# Altium PCB Napelemes_inverter.PcbDoc (part 3 of 3)
Units mil, origin at the board's own origin, x right, y up, seen from the top; angles counter-clockwise.
Board outline 11440 x 4760 mil, 2 copper layers (Top Layer, Bottom Layer); 247 components, 166 nets, 771 pads, 552 vias.
Unrouted connection lines stored in the file: 2.
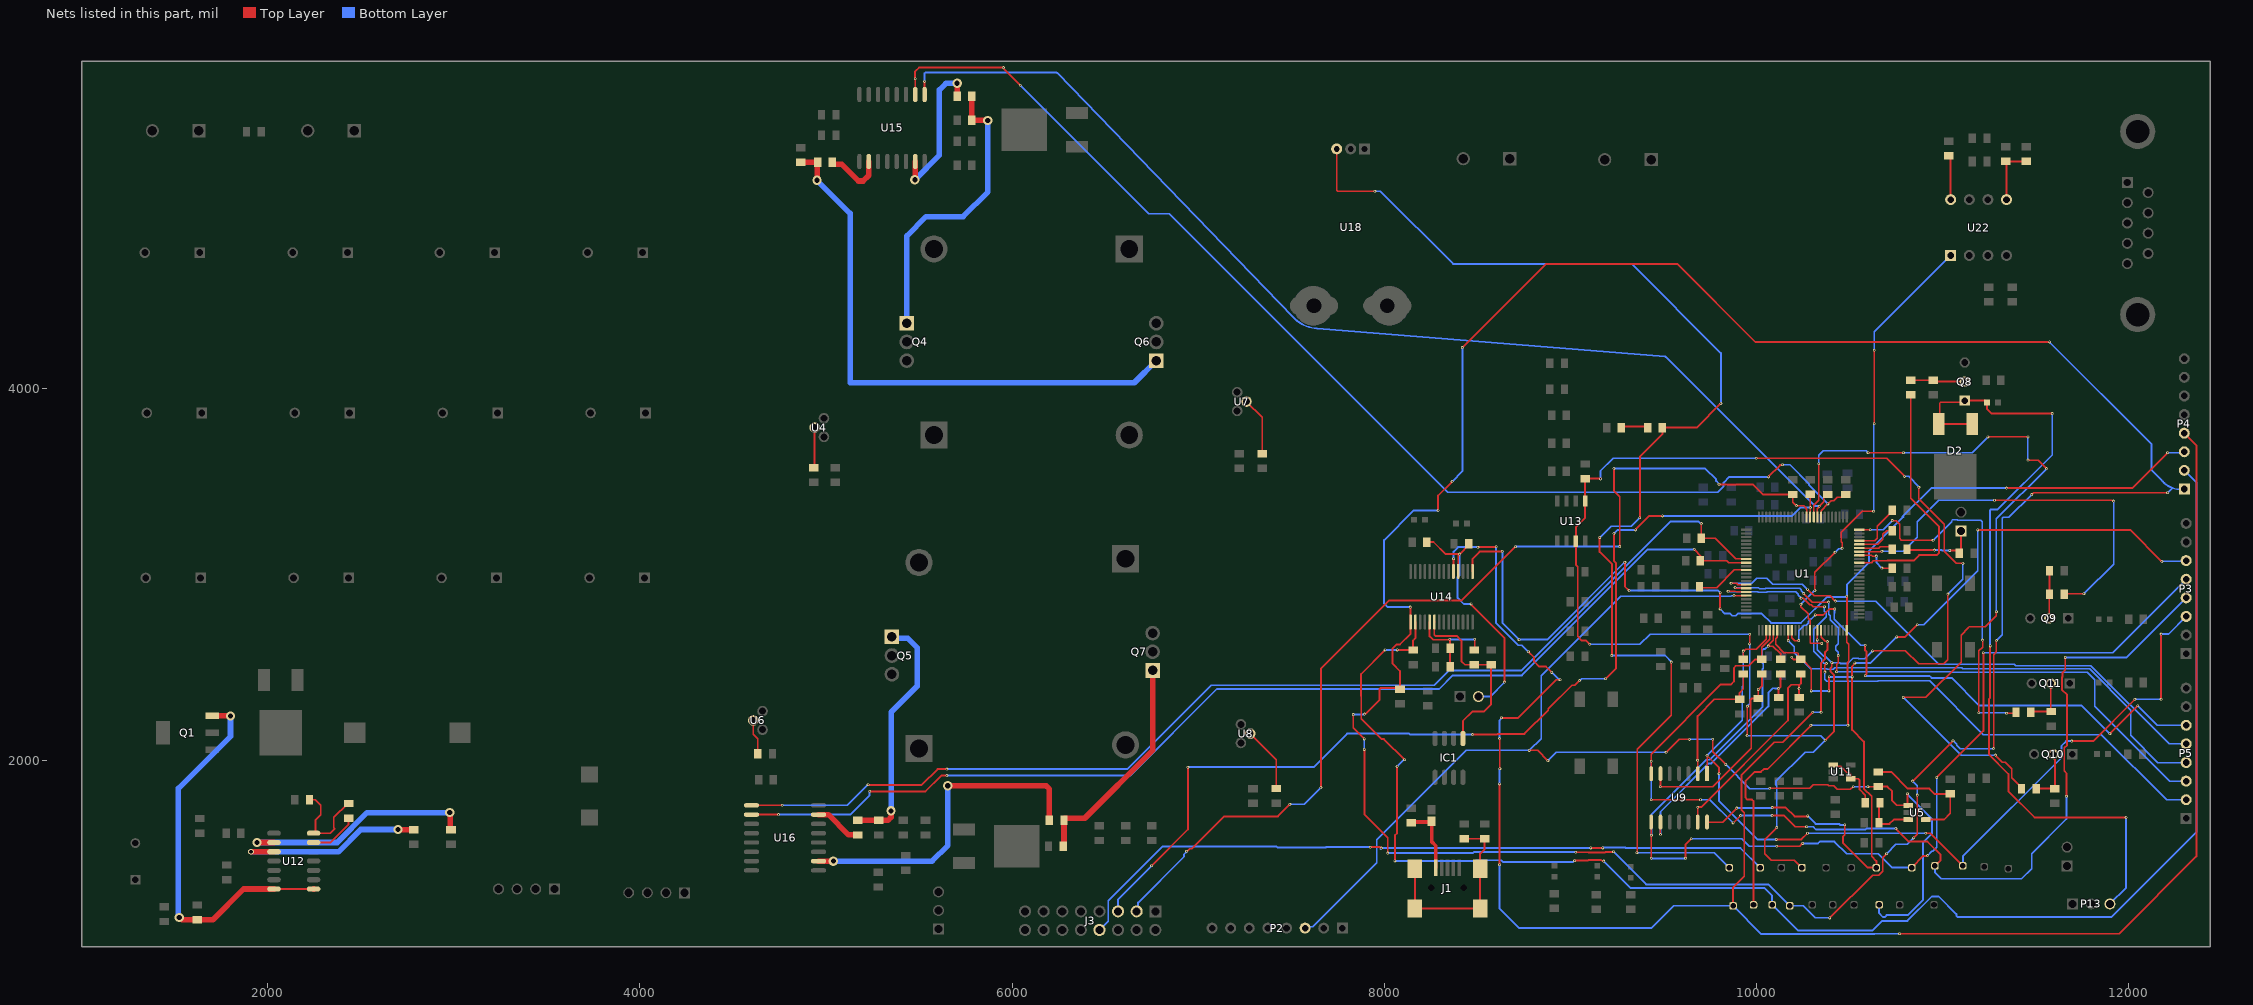
[diagram p3: the nets of this part, all layers, seen from the top]

## Via types
v1: diameter 15, hole 8, Top Layer to Bottom Layer, 504 vias
v2: diameter 50, hole 28, Top Layer to Bottom Layer, 36 vias
v3: diameter 78, hole 20, Top Layer to Bottom Layer, 5 vias
v4: diameter 170, hole 140, Top Layer to Bottom Layer, 4 vias
v5: diameter 200, hole 165, Top Layer to Bottom Layer, 2 vias
v6: diameter 30, hole 20, Top Layer to Bottom Layer, 1 vias

## Nets (pads, with @x,y where several pads share a name; then routed paths per layer and width w, separated by ;. In a path a pad name is that pad's centre, name@x,y a point inside that pad or via, vN(x,y) a via of type N, cw(c..) or ccw(c..) an arc to the next point about the centre after c; other vN are vias at no path point) (continued)
NetJ3_8: BHall.21 J3.8 | length 3857.8
  Top Layer w10: v1(7925,1535) 7977.29,1535 7982.29,1530 v1(7985,1530) ; v1(9110,1530.71) v1(9175,1530.71)
  Bottom Layer w10: J3.8@6470,1090 6517.48,1137.48 6517.48,1247.48 6807.76,1537.76 7422.78,1537.76 7428.04,1532.5 7685.24,1532.5 7687.74,1535 v1(7925,1535) ; v1@7980,1525 v1(7985,1530) 7985.36,1530.36 9109.64,1530.36 v1(9110,1530.71) ; v1(9175,1530.71) 9176.74,1532.45 9296.01,1532.45 9298.46,1530 9915,1530 BHall.21@10020,1425
NetJ4_1: 
NetJ4_3: 
NetJ4_4: 
NetJ4_5: 
NetJ4_6: 
NetJ4_8: 
NetJ4_10: 
NetJP1_1: JP1.1 R7.1 R13.2 | length 413.8
  Top Layer w10: R13.2@10809.37,3135 10812.99,3131.38 v1(10956.86,3131.38) ; v1(11040,3130) 11075.94,3130 11090.63,3115.31 R7.1@11090.63,3115 11100,3124.37 JP1.1@11100,3235
  Bottom Layer w10: v1@10956.94,3131.94 10994.86,3131.94 10996.8,3130 v1(11040,3130)
NetK_COM: 
NetL2_2: 
NetP2_3: ADC_INV_OUT.3 P2.3 R25.2 U1.19 U5.1 | length 6765.6
  Top Layer w8: v1(8780,2055) 8825,2055 v1(8880,2000) ; v1(9515,2045) 9585,2115 v1@9640,2115 ; v1(9765.86,2115.08) 9765.86,2049.14 v1@9835,1980 ; v1(9880,2887.5) 9880.61,2886.89 U1.19@9945.66,2886.89 ; v1(10072.27,1851.44) 10286.44,1851.44 10305,1870 10385,1870 10390,1865 10415,1865 10435,1845 10505,1845 v1@10520,1860 ; v1(10600,1860) 10654.37,1860 R25.2@10655,1860.63
  Top Layer w10: R25.2@10655,1860.63 10704.37,1860.63 10730,1835 10730,1785 10755,1760 U5.1@10815.16,1760 ; v1(10811.91,1821.91) 10811.91,1763.25 U5.1@10815.16,1760 ; U5.1@10816.76,1758.4 U5.1@10815.16,1760
  Bottom Layer w8: P2.3@7575,1100 7582.59,1107.59 7616.53,1107.59 7961,1452.06 7961,1576 8440,2055 v1(8780,2055) 8842.93,2117.93 8842.93,2456.87 9270.35,2884.29 9864.69,2884.29 9866.57,2886.16 9878.66,2886.16 v1(9880,2887.5) ; v1(8880,2000) 8925,2045 v1(9515,2045) ; v1(9640.44,2113.73) 9763.73,2113.73 v1@9765,2115 ; v1(9835.86,1980.08) 9965.95,1850 v1@10070,1850 ; v1(10520.86,1860.08) 10520.91,1860.04 v1(10600,1860) v1(10600,1860)
  Bottom Layer w10: ADC_INV_OUT.3@10660,1225 10660,1180 10680.86,1159.14 10689.14,1159.14 10700,1170 10814.81,1170 10895,1250.19 10895,1559.64 10945,1609.64 10945,1685 v1@10810,1820
NetP3_3: INV_Temp1.13 P3.3 R26.1 U1.28 U9.1 | length 4760.5
  Top Layer w8: U9.1@9735,1930 v1@9735,2025 ; R26.1@9930,2544.37 v1(9930,2589) 9931.89,2589 9942.89,2600 10000,2600 10052.94,2652.94 U1.28@10052.94,2700.87
  Top Layer w10: v1(9734.9,2027.58) 9800,1962.48 v1(9800,1930) ; v1(10106.91,1576.91) 10241.91,1576.91 v1(10275,1610) ; v1(10910.18,1610.18) 10910.53,1609.82 10935.18,1609.82 INV_Temp1.13@11110,1435 ; v1(11695,2105) 11810,2105 v1(12035,2330) ; v1(12175,2330) v1(12175,2680)
  Bottom Layer w8: v1(9734.9,2027.58) 9925.37,2218.06 9925.37,2397.11 9930,2401.74 v1(9930,2589)
  Bottom Layer w10: v1(9800,1930) 9800,1781.91 10005,1576.91 v1(10106.91,1576.91) ; v1(10275,1610) 10910,1610 v1(10910.18,1610.18) ; INV_Temp1.13@11110,1435 11110,1485 11640,2015 11640,2080 11665,2105 v1(11695,2105) ; v1(12035,2330) v1(12175,2330) ; v1(12175,2680) 12215,2680 P3.3@12310,2775
NetP3_4: INV_Temp2.14 P3.4 R27.1 U1.29 U9.7 | length 5739.3
  Top Layer w8: R27.1@10030,2544.37 10030,2608.96 10049,2627.96 10049,2629 10073,2653 U1.29@10073,2700.87
  Top Layer w10: v1(9435,1790) v1(9700,1790) ; U9.7@9435,1930 v1(9435,1997) 9435,2035 9810,2410 9864.14,2410 9880,2425.86 9880,2499.14 9890.54,2509.68 9958.68,2509.68 9993.37,2544.37 R27.1@10030,2544.37 ; v1(9875,1665) v1(9915,1705) ; v1(10085,1705) 10148.85,1705 10208.85,1645 v1(10270,1645) ; v1(10750,1635) 10820,1565 10920,1565 10990,1495 10990,1465 INV_Temp2.14@10960,1435 ; v1(11660,2555) 11660,2487.43 11645.59,2473.02 11645.59,2451.92 11642.44,2448.77 11642.44,2381.23 11670,2353.67 11670,2083.97 11654.8,2068.77 11654.8,1944.65 11666.85,1932.61 v1(11666.85,1808.49)
  Bottom Layer w10: v1(9435,1790) v1(9435,1997) ; v1(9700,1790) 9750,1790 v1(9875,1665) ; v1(9915,1705) v1(10085,1705) ; v1(10270,1645) 10305.6,1645 10320.6,1630 10586.15,1630 10591.15,1635 v1(10750,1635) ; INV_Temp2.14@10960,1435 10960,1400 10995,1365 11425,1365 11480,1420 11480,1500 11666.85,1686.85 v1(11666.85,1808.49) ; v1(11660,2555) 11990,2555 P3.4@12310,2875
NetP3_5: INV_Temp3.15 P3.5 R28.1 U1.30 U9.8 | length 5862.2
  Top Layer w8: U9.8@9435,1670 9435.5,1669.5 9435.5,1599.5 v1(9436,1599) ; U1.30@10092,2700.87 10092,2647.88 10068,2623.88 10068,2621.89 10064,2617.89 v1(10064,2616) 10089,2616 10130,2575 R28.1@10130,2544.37
  Top Layer w10: v1(9435,1475) 9435.5,1475.5 9435.5,1598.5 v1(9436,1599) ; v1(9620,1475) 9620,1550 v1(9650,1580) ; v1(10110,1540) 10232.29,1540 10247.29,1555 v1(10250,1555) ; INV_Temp3.15@10835,1425 10898.09,1488.09 10918.09,1488.09 v1(10920,1490) ; v1(10970,1910) 11220,2160 v1(11220,2580)
  Bottom Layer w10: v1(9435,1475) v1(9620,1475) ; v1(9436,1599) 9436,1654.68 9435,1655.68 9435,1710 9730.08,2005.08 9750.08,2005.08 10032.4,2287.4 10032.4,2490.58 10037.5,2495.68 10037.5,2521.01 10030.31,2528.2 10030.31,2591.8 10039.41,2600.9 10047.55,2600.9 10062.65,2616 v1(10064,2616) ; v1(9650,1580) 9921.57,1580 9961.57,1540 v1(10110,1540) ; v1(10250,1555) 10331.35,1555 10341.35,1565 10420,1565 10485,1500 10655,1500 10730,1425 INV_Temp3.15@10835,1425 ; v1(10920,1490) 10943.46,1513.46 10948.46,1513.46 10970,1535 v1(10970,1910) ; v1(11220,2580) 11915,2580 P3.5@12310,2975
NetP3_6: INV_Temp4.16 P3.6 R29.1 U1.31 U9.14 | length 5387.1
  Top Layer w8: U9.14@9735,1670 9820,1670 v1(9895,1745) ; U1.31@10112,2700.87 10112,2662.26 10104,2654.26 10104,2625 10147.96,2581.04 10220.22,2581.04 10224.91,2576.35 10224.91,2559.46 R29.1@10240,2544.37
  Top Layer w10: v1(10086.07,1747.81) 10157.98,1747.81 10205.79,1700 v1@10275,1700 ; v1(10190,2556) 10190.96,2555.04 10190.96,2552.82 10199.41,2544.37 R29.1@10240,2544.37 10245.91,2544.37 10295,2495.28 v1(10295,2375) ; v1(10390,2375) 10391.48,2376.48 v1(10391.48,2450.97) ; v1(10475,1655) 10475,1601.15 10465,1591.15 10465,1560 10600,1425 INV_Temp4.16@10645,1425 10645,1460 10620,1485 10620,1644.84 10620.32,1645.16 10620.32,1807.87 10578,1850.18 10578,2102 10515,2165 v1(10515,2450) 10515,2507.29 10530,2522.29 v1(10530,2525) ; v1(10755,2665) 10800,2665 v1(10865,2730) ; v1(11190,3240) 12010,3240 v1(12180,3070)
  Bottom Layer w10: v1(9895,1745) v1@10085,1745 ; v1(10276.07,1702.81) 10318.88,1660 10445,1660 10450,1655 v1(10475,1655) ; v1(10295,2375) v1(10390,2375) ; v1(10391.48,2450.97) 10391.96,2450.48 10514.52,2450.48 v1(10515,2450) ; v1(10530,2525) 10615,2525 v1(10755,2665) ; v1(10865,2730) 10900,2730 11190,3020 v1(11190,3240) ; v1(12180,3070) 12181.91,3071.91 12306.91,3071.91 P3.6@12310,3075
NetP4_1: P4.1 R62.1 U14.15 USBDP.7 | length 14399.1
  Top Layer w8: v1(10395,1155) 10625,1385 10658.94,1385 10679,1405.06 10679,1479 v1(10700,1500) ; v1(10840,1890) v1(11056.97,2106.97) ; v1(10845,1585) 10865,1605 v1(10865,1815) ; v1(11275,2065) 11275,2570 11290,2585 v1(11290,2645) ; v1(11480,3430) 11490,3440 v1(12210,3440)
  Top Layer w10: v1(7834.09,2247.5) 7834.09,2175.91 v1(7893.11,2116.89) ; v1(7894.53,2250.33) 7895.88,2250.33 7897.55,2252 7900.11,2252 7975,2326.89 7975,2384.14 7980.86,2390 8079.37,2390 R62.1@8085,2384.37 8085,2481.17 8045,2521.17 8045,2603.28 8066.72,2625 8085,2625 8142.19,2682.19 U14.15@8142.19,2745.17 8141.46,2745.89 8141.46,2823.54 v1(8140,2825) ; v1@7895,2060 7895,1710 8019.5,1585.5 v1(8019.5,1503.6) ; v1(8290,3345) 8290,3425 v1(8365,3500) ; v1(8420,4220) 8870,4670 9575,4670 9995,4250 10690,4250 v1(11575,4250) ; v1(9029.83,1507.5) 9097.86,1507.5 9099.64,1505.71 9186.07,1505.71 9190.31,1509.95 v1(9233.06,1509.95)
  Bottom Layer w8: USBDP.7@10180,1220 10251.06,1220 10316.06,1155 v1(10395,1155) ; v1(10700,1500) 10750,1550 10810,1550 v1(10845,1585) ; v1(10840,1890) 10865,1865 v1(10865,1815) ; v1(11056.97,2106.97) 11077.13,2086.81 11077.13,2082.87 11095,2065 v1(11275,2065) ; v1(11290,2645) 11322.73,2677.73 11322.73,3302.59 11327.41,3307.27 11357.27,3307.27 v1(11480,3430)
  Bottom Layer w10: v1(7834.09,2247.5) 7890.35,2247.5 7893.18,2250.33 v1(7894.53,2250.33) ; v1(7893.11,2060) v1(7893.11,2116.89) ; v1@8020.44,1504.56 8021.4,1503.6 8477.41,1503.6 8483.8,1510 9025.98,1510 9028.48,1507.5 v1(9029.83,1507.5) ; v1(8140,2825) 8020,2825 8000,2845 8000,3185 8160,3345 v1(8290,3345) ; v1(8365,3500) 8420,3555 v1(8420,4220) ; v1(9233.06,1509.95) 9408.01,1335 10065,1335 USBDP.7@10180,1220 ; v1(11575,4250) 12123.86,3701.14 12123.86,3561.14 12175,3510 ccw(c12288.07,3600.84) 12286.39,3455.81 12288.1,3455.81 12289.71,3456.38 P4.1@12300,3460 ; v1(12210,3440) 12235,3465
NetP4_2: P4.2 R65.1 U14.16 USBDM.8 | length 8413
  Top Layer w10: v1(8005,2595) 7875.61,2465.61 7875.61,2345.91 7876.59,2344.93 7876.59,2225.23 7985.73,2116.09 7998.91,2116.09 v1(8110,2005) ; v1(8058.11,1461.1) 8058.11,1599.56 8069.09,1610.54 v1(8069.09,1969.09) ; v1(8070,2595) 8154.37,2595 R65.1@8155,2594.37 8155,2645 8167.78,2657.78 U14.16@8167.78,2745.17 ; v1(9023.11,1462.5) 9094.1,1462.5 9097.31,1465.71 9166.96,1465.71 9171.71,1460.96 9179.04,1460.96 v1(9180,1460)
  Bottom Layer w10: v1(8005,2595) v1(8070,2595) ; v1(8058.11,1461.1) 8491.48,1461.1 8495.37,1465 8630.36,1465 8640.36,1455 9014.25,1455 9021.75,1462.5 v1(9023.11,1462.5) ; v1(8069.09,1969.09) 8104.04,2004.04 8109.04,2004.04 v1(8110,2005) ; v1(9180,1460) 9325,1315 10045,1315 10085,1275 USBDM.8@10085,1225 10222.5,1087.5 10625.31,1087.5 10676.95,1139.14 10812.23,1139.14 10943.09,1270 10980,1270 11075,1175 11075,1165.86 11080.86,1160 11910,1160 12365,1615 12365,3495 P4.2@12300,3560
NetP4_3: P4.3 SCIRX.9 U1.50 U14.1 | length 7313.2
  Top Layer w10: U14.1@8474.86,3016.82 8474.86,3084.86 8513.09,3123.09 8633.09,3123.09 v1(8635,3125) ; v1(9294.01,3066.53) 9294.01,2935.99 v1@9315,2915 ; v1(9804.82,2815.18) 9805.67,2816.02 9805.67,2901.48 v1(9806.51,2902.32) ; SCIRX.9@9985,1225.86 9985,1782.14 9976.14,1791 9952.13,1791 9941,1802.13 9941,1890.03 9990.86,1939.89 10024.89,1939.89 10040,1955 10060,1955 v1@10295,2190 ; U1.50@10486.02,2700.87 10486.02,2636.93 10496.5,2626.44 10496.5,2533.27 10490,2526.77 10490,2433.6 10492.5,2431.1 v1(10492.5,2190) ; U1.50@10486.51,2701.51 v1(10486.51,2884) ; v1(11345,3465) 12020,3465 v1(12210.18,3655.18)
  Bottom Layer w10: v1(8635,3125) 8635,2740 8724.82,2650.18 v1(8725.18,2650.18) 8875.18,2650.18 v1@9292.5,3067.5 ; v1(9316.51,2914.03) 9794.26,2914.03 v1@9805,2903.29 ; v1(9804.82,2815.18) 9830,2790 9859.68,2790 9870.68,2779 9889.32,2779 9900.32,2790 10029.14,2790 10079.14,2740 10240,2740 10380,2880 v1@10485,2880 ; v1(10293.11,2190) v1(10492.5,2190) ; v1@10486.51,2880 v1(10486.51,2884) 10486.51,2944.12 10605,3062.61 10605,3125 10790,3310 10785,3310 10940,3465 v1(11345,3465) ; v1(12210.18,3655.18) 12286.56,3654.84 12294.84,3654.84 P4.3@12300,3660
NetP4_4: P4.4 SCITX.10 U1.43 U14.5 | length 10821.1
  Top Layer w8: U1.43@10348.22,2700.87 10348.22,2662.56 10369.45,2641.34 10380.66,2641.34 v1(10382,2640)
  Top Layer w10: U14.5@8372.5,3016.82 8372.8,3017.12 8372.8,3084.7 v1(8373.09,3085) ; v1(8503.82,3147.36) 8505.14,3148.68 8600.59,3148.68 v1(8601.91,3150) ; v1(8620,1440) v1(8620,1875) ; v1(8620,2119) 8620.95,2118.05 8620.95,1957.86 v1(8621.91,1956.91) ; v1(8630,2230) 8720,2230 8925,2435 v1(8945,2435) ; v1(8775,2585) 8805.21,2554.79 8805.21,2533.61 8833.5,2505.32 8869.68,2505.32 v1(8900.76,2474.24) ; SCITX.10@9875,1220 9875,1319.81 9935,1379.81 9935,1720.36 9921,1734.36 9921,1924.17 10095.44,2098.61 10141.71,2098.61 v1@10302.16,2259.05 ; v1(10348.11,2260) 10347.5,2260.61 10347.5,2524.32 10370,2546.82 10370,2583.18 10382,2595.18 v1(10382,2640) ; v1(10770,1070) 11950,1070 12365,1485 12365,3695 P4.4@12300,3760
  Bottom Layer w10: v1(8373.09,3085) 8373.16,3085.07 8373.16,3123.16 8397.36,3147.36 v1(8503.82,3147.36) ; v1(8601.91,3150) 8601.91,2738.09 8720,2620 8740,2620 v1(8775,2585) ; v1(8620,1440) 8620,1205 8725,1100 9435,1100 9555,1220 SCITX.10@9875,1220 10027.5,1067.5 10633.59,1067.5 10636.09,1070 v1(10770,1070) ; v1(8620,1875) v1@8620,1955 ; v1(8620,2119) 8620,2217.29 8630,2227.29 v1(8630,2230) ; v1(8900.76,2474.24) 8938.09,2436.91 8943.09,2436.91 v1(8945,2435) ; v1(10303.11,2260) v1(10348.11,2260) v1@10350,2260
NetP5_1: 
NetP5_2: P5.2 U1.18 | length 3333.5
  Top Layer w8: v1(9848.05,2910.88) 9887.03,2910.88 9891.33,2906.57 U1.18@9945.66,2906.57 ; v1(10240.19,2872.86) 10240.91,2872.13 10251.87,2872.13 10286,2838 10295,2838 10306,2827 v1(10366,2827) ; v1(10369,2476) 10369,2512.11 10377,2520.11 v1(10377,2522)
  Bottom Layer w8: v1(9848.05,2910.88) 9849.39,2909.54 9853.46,2909.54 9854,2909 10006.41,2909 10009.91,2905.5 10056.06,2905.5 10058.61,2908.06 10211.94,2908.06 10225.63,2894.37 10225.63,2888.71 10240.19,2874.16 v1(10240.19,2872.86) ; v1(10366,2827) 10366,2803.77 10375,2794.77 10375,2773.42 10307.51,2705.94 10307.51,2587.49 10351.19,2543.81 10351.19,2533.81 10361.66,2523.34 10375.66,2523.34 v1(10377,2522) ; v1(10369,2476) 10367.66,2474.66 10367.66,2454.77 10366.66,2453.76 10366.66,2438.34 10378.03,2426.97 10653.5,2426.97 10655.53,2429 10931,2429 11220,2140 11855,2140 12205,1790 P5.2@12310,1790
NetP5_3: P5.3 U1.17 | length 3217.7
  Top Layer w8: v1(9885.85,2930.5) 9887.74,2930.5 9891.24,2927 9896.36,2927 9897.1,2926.26 U1.17@9945.66,2926.26 ; v1(10255,2898) 10301.5,2851.5 10387.5,2851.5 v1(10388,2852) ; v1(10431.56,2478.06) 10431.56,2517 10440.31,2525.75 v1(10440.31,2564.69)
  Bottom Layer w8: v1(9885.85,2930.5) 10010.36,2930.5 10017.36,2923.5 10048.6,2923.5 10051.15,2926.06 10233.94,2926.06 10241.02,2918.98 10241.02,2913.88 10255,2899.89 v1(10255,2898) ; v1(10388,2852) 10388,2787.63 10396.31,2779.31 10396.31,2756.82 10440,2713.13 10440,2627.44 10427.5,2614.94 10427.5,2595.06 10440,2582.56 10440,2565 v1(10440.31,2564.69) ; v1(10431.56,2478.06) 11046.86,2478.06 11050.92,2474 11779,2474 11819,2434 11819,2292 12221,1890 P5.3@12310,1890
NetP5_4: P5.4 U1.34 | length 2571.1
  Top Layer w8: U1.34@10171.06,2700.87 10171.06,2645.7 v1(10171.59,2645.16)
  Bottom Layer w8: v1(10171.59,2645.16) 10204.44,2612.32 10204.44,2580.56 10291.5,2493.5 10379.51,2493.5 10382.01,2491 10414.09,2491 10422.65,2499.56 11103.55,2499.56 11110.11,2493 11791,2493 12012,2272 12012,2136 12158,1990 P5.4@12310,1990
NetP5_5: P5.5 U1.16 | length 2911.1
  Top Layer w8: v1(9864,2953) 9864.8,2952.2 9894.56,2952.2 9901.03,2945.72 9921.12,2945.72 9921.34,2945.94 U1.16@9945.66,2945.94 ; v1(10275,2920) 10310,2885 10397.5,2885 v1(10425,2857.5)
  Bottom Layer w8: v1(9864,2953) 9974.16,2953 10001.71,2980.55 10055,2980.55 10087.06,2948.5 10246.5,2948.5 v1(10275,2920) ; v1(10425,2857.5) 10641.5,2857.5 10980.52,2518.48 11385.74,2518.48 11393.23,2511 11798.46,2511 12219.46,2090 P5.5@12310,2090
NetP5_6: P5.6 U1.35 | length 2790.6
  Top Layer w8: U1.35@10190.74,2700.87 10190.74,2660.32 10206.06,2645 v1(10228.3,2645)
  Top Layer w10: v1(10317.16,2782.84) 10359.66,2782.84 10391.82,2815 v1(10421.5,2815) ; v1(10585,2620) 10585,2592.74 10592.5,2585.24 10592.5,2465.92 10585.35,2458.77 v1(10585.35,2456.06) ; v1(11900,2145) v1(12050,2295)
  Bottom Layer w10: v1(10228.3,2645) 10228.3,2697.51 10258.58,2727.8 10267.8,2727.8 10279.56,2739.56 10279.56,2745.24 v1(10317.16,2782.84) ; v1(10421.5,2815) 10420.54,2814.04 10420.54,2794.36 10419,2792.82 10419,2761 10560,2620 v1(10585,2620) ; v1@10585,2455 10931.87,2455 10941.87,2445 11050,2445 11199.04,2295.96 11749.04,2295.96 v1(11900,2145) ; v1(12050,2295) 12155,2190 P5.6@12310,2190
NetQ1_3: Q1.3 R44.1 U12.1 U12.14 | length 2101.7
  Top Layer w10: U12.14@2033.7,1310.24 U12.1@2246.3,1310.24
  Top Layer w30: v2(1524.65,1157.13) 1530.06,1157.13 1541.56,1145.63 R44.1@1619.37,1145.63 ; R44.1@1610,1145 1705,1145 1870.24,1310.24 U12.14@2033.7,1310.24 ; Q1.3@1701.89,2240.55 1702.17,2240.28 1799.72,2240.28 v2(1800,2240) ; U12.1@2246.3,1310.24 U12.1@2246.54,1310
  Bottom Layer w30: v2@1520,1157.13 1520,1850.71 1800,2130.71 v2(1800,2240)
NetQ2_1: 
NetQ3_1: 
NetQ4_1: Q4.1@5434.51,4350.39 R52.2 R66.2 | length 1601.9
  Top Layer w30: R66.2@5783.74,5570 R52.2@5783.74,5440.68 5869.32,5440.68 v2(5870,5440)
  Bottom Layer w30: Q4.1@5434.51,4350.39 5434.51,4819.51 5538.69,4923.69 5736.83,4923.69 5870,5056.86 v2(5870,5440)
NetQ5_1: Q5.1@5354.51,2665.39 R53.2 R67.2 | length 1315.3
  Top Layer w30: R67.2@5170,1679.37 R53.2@5285,1679.37 5332.43,1679.37 5350,1696.94 v2(5350,1730)
  Bottom Layer w30: v2(5350,1730) 5350,2260 5490,2400 5490,2607.43 5438.88,2658.55 5361.35,2658.55 Q5.1@5354.51,2665.39
NetQ6_1: Q6.1@6775.49,4149.61 R54.2 R68.2 | length 3034.8
  Top Layer w30: R54.2@4875,5215 R68.2@4955.63,5215 4953.86,5213.23 4953.86,5120.46 v2(4952.09,5118.68)
  Bottom Layer w30: v2(4952.09,5118.68) 5130,4940.77 5130,4030.73 6656.62,4030.73 Q6.1@6775.49,4149.61
NetQ7_1: Q7.1@6755.49,2484.61 R55.2 R69.2 | length 1209.2
  Top Layer w30: R55.2@6279.37,1535 R69.2@6279.37,1680 6279.37,1685.91 6284.06,1690.59 6390.59,1690.59 6755.49,2055.49 Q7.1@6755.49,2484.61
NetQ8_2: Q8.2 R57.2 R58.2 | length 292.9
  Top Layer w10: R57.2@10830,4044.37 R58.2@10950,4044.37 10957.01,4037.36 Q8.2@11120,4037.36
NetQ9_2: Q9.2 R90.2 R91.2 | length 255
  Top Layer w10: Q9.2@11574.57,2765 R90.2@11574.57,2895 ; R90.2@11575.63,2895 R91.2@11575.63,3020
NetQ10_2: Q10.2 R98.2 R100.2 | length 291.3
  Top Layer w10: R98.2@11503.74,1850 11504.37,1849.37 R100.2@11605,1849.37 11605,2012.79 11595,2022.79 Q10.2@11595,2035
NetQ11_2: Q11.2 R99.2 R101.2 | length 264
  Top Layer w10: R99.2@11474.37,2260 11478.74,2264.37 R101.2@11585,2264.37 11582.64,2266.73 Q11.2@11582.64,2415
NetR3_2: R3.2 U1.84 U15.1 | length 5991.1
  Top Layer w8: U1.84@10328.74,3309.13 10328.74,3354.43 10338.03,3363.72 v1(10338.03,3366.97) ; v1@10336.1,3365.04 v1(10338.03,3366.97) ; R3.2@10385,3430.63 10379.09,3430.63 10363.41,3414.94 10363.41,3392.35 v1(10338.03,3366.97)
  Top Layer w10: U15.1@5530,5580.12 v1(5530,5650)
  Bottom Layer w10: v1(5530,5650) 5529.07,5650.93 5529.07,5693.21 5534.93,5699.07 6238.98,5699.07 6242.03,5696.02 7511.4,4382.1 ccw(c7655.22,4521.29) 7639.28,4321.78 9509.61,4172.87 9512.26,4170.22 10313.6,3368.88 10336.12,3368.88 v1(10338.03,3366.97)
NetR4_2: R4.2 U1.9 U16.1 | length 6127.3
  Top Layer w8: R4.2@9704.37,3195 9778.23,3195 9889.49,3083.74 U1.9@9945.66,3083.74
  Top Layer w10: U16.1@4582.78,1760 U16.1@4599.88,1760 v1(4765,1760) ; v1(5226.13,1870.02) 5515.02,1870.02 5600,1955 v1(5650,1955) ; R4.2@9704.37,3195 v1@9704.37,3277.64
  Bottom Layer w10: v1(4765,1760) 5115,1760 v1@5225,1870 ; v1(5650,1955) 6620,1955 7070,2405 8270,2405 8350,2485 8738.28,2485 9538.28,3285 9690,3285 9699.09,3275.91 9703.09,3275.91 v1(9705,3274)
NetR5_2: R5.2 U1.10 U16.2 | length 6013.2
  Top Layer w8: R5.2@9699.37,3075 9840,3075 9850.94,3064.06 U1.10@9945.66,3064.06
  Top Layer w10: U16.2@4583.89,1710 U16.2@4599.88,1710 v1(4745,1710) ; v1(5235,1835) 5535,1835 5620,1920 v1(5650,1920) ; v1@9666,3135 9705,3096 9705,3080.63 R5.2@9699.37,3075
  Bottom Layer w10: v1(4745,1710) 5129.75,1710 5235,1815.25 v1(5235,1835) ; v1(5650,1920) 6635,1920 7100,2385 8295,2385 8368.36,2458.36 8739.93,2458.36 9416.57,3135 v1@9666,3135
  other v1: 9666.08,3135.67
NetR6_2: R6.2 U1.83 U15.2 | length 6351.3
  Top Layer w8: U1.83@10348.43,3309.13 10348.43,3343.43 v1(10385,3380) 10401.94,3396.94 10416.39,3396.94 10434.39,3414.94 10464.31,3414.94 R6.2@10480,3430.63
  Top Layer w10: U15.2@5480,5580.12 v1(5480,5665) 5479.07,5665.93 5479.07,5704.07 5499.97,5724.97 v1(5954.07,5724.97) ; v1@5955,5725 5955,5719.04 v1(6044.07,5629.97) ; v1(10065,3525) 10128.09,3588.09 10138.09,3588.09 v1(10140,3590)
  Bottom Layer w10: v1@6045,5630 6736.01,4938.99 6846.01,4938.99 8342.46,3442.54 9792.31,3442.54 9824.41,3474.64 9824.41,3494.64 9854.77,3525 v1(10065,3525) ; v1(10140,3590) 10181,3590 10282.52,3488.48 10282.52,3482.48 v1(10385,3380)
NetR9_2: R9.2 U1.12 | length 292.6
  Top Layer w8: R9.2@9694.37,2935 9699.37,2930 9788,2930 9882.69,3024.69 U1.12@9945.66,3024.69
NetR10_1: R10.1 U1.68 | length 225.1
  Top Layer w8: U1.68@10554.13,3102.3 10577.77,3102.3 10578.68,3103.2 10619,3103.2 10623,3099.2 10644.91,3099.2 v1(10645,3099.11) ; v1(10675,3035) R10.1@10730.63,3035
  Bottom Layer w10: v1(10645,3099.11) 10645,3065 v1(10675,3035)
NetR11_1: R11.1 U1.71 | length 221.6
  Top Layer w8: U1.71@10554.13,3162.26 10652.86,3162.26 10680.5,3189.9 10680.5,3215.5 10700,3235 R11.1@10730.63,3235
NetR12_1: R12.1 U1.72 | length 284.6
  Top Layer w8: U1.72@10554.13,3182.17 10637.17,3182.17 10650,3195 10650,3258.46 10730.63,3339.09 R12.1@10730.63,3345
NetR13_1: R13.1 U1.70 | length 185.3
  Top Layer w8: U1.70@10554.13,3142.8 10658.85,3142.8 10665.62,3149.56 10716.07,3149.56 R13.1@10730.63,3135
NetR14_1: R14.1 R19.2 U5.3 | length 281.3
  Top Layer w10: R14.1@10664.37,1775 10659.37,1770 R19.2@10659.37,1665 10664.37,1660 10715,1660 10738.6,1683.6 U5.3@10816.76,1683.6
NetR14_2: R14.2 U11.1 U11.4 | length 323.8
  Top Layer w10: U11.1@10413,1977.4 10421.62,1968.78 10453.59,1968.78 10487.37,1935 10500,1935 10507.49,1927.51 U11.4@10507.49,1902.6 10548.08,1902.6 10555,1895.68 10555,1844.9 10585.63,1814.27 R14.2@10585.63,1775
NetR15_1: 
NetR16_1: 
NetR17_1: R17.1 U4.2 | length 217.6
  Top Layer w10: R17.1@4935,3574.37 4939.38,3578.75 U4.2@4939.38,3790.19
NetR21_2: R21.2 R25.1 U5.4 | length 686.3
  Top Layer w10: R25.1@10655,1939.37 10725.63,1939.37 10815,1850 10930,1850 10960,1820 11041.11,1820 R21.2@11042.37,1821.26 11042.37,1717.37 11008.6,1683.6 U5.4@10911.24,1683.6
NetR22_1: R22.1 U6.2 | length 190.1
  Top Layer w10: U6.2@4609.16,2216.33 4609.16,2141.17 4633.54,2116.79 R22.1@4633.54,2036.33
NetR23_1: R23.1 U7.2 | length 315.4
  Top Layer w10: U7.2@7260,3930 7344.38,3845.62 R23.1@7344.38,3649.57
NetR24_1: R24.1 U8.2 | length 357.9
  Top Layer w10: U8.2@7276.55,2148.45 U8.2@7280,2145 7420,2005 R24.1@7420,1850
NetR26_2: R26.2 R32.2 U9.2 | length 717.3
  Top Layer w8: v1(9684,2002) 9684.5,2001.5 9684.5,1930.5 U9.2@9685,1930
  Top Layer w10: v1(9684,2002) 9684,2239 9775,2330 9909.8,2330 R32.2@9910,2329.8 9910,2365 9930,2385 R26.2@9930,2465.63
NetR27_2: R27.2 R33.2 U9.6 | length 1090.8
  Top Layer w10: U9.6@9485,1930 9484.5,1929.5 9484.5,1860.5 v1(9484,1860) 9766.72,1860 9972.5,2065.78 9972.5,2225.53 9969.37,2228.66 9969.37,2328.51 9975.23,2334.37 R33.2@10010,2334.37 10010,2380 10030,2400 R27.2@10030,2465.63
  other v1: 10009.9,2382.58
NetR28_2: R28.2 R34.2 U9.9 | length 1272.3
  Top Layer w8: v1(9485,1603) U9.9@9485,1670
  Top Layer w10: R34.2@10120,2339.8 10120,2385 10130,2395 R28.2@10130,2465.63
  Bottom Layer w10: v1(9485,1603) 9485,1725 9745.08,1985.08 9758.37,1985.08 10065,2291.72 10065,2365 10088.9,2388.9 10098.9,2388.9 10099.25,2388.54 10118.94,2388.54 v1(10119.9,2387.58)
NetR29_2: R29.2 R35.2 U9.13 | length 1129.3
  Top Layer w8: U9.13@9685,1670 v1(9685,1750)
  Top Layer w10: v1(9685,1750) 9704.14,1750 10170,2215.86 10170,2390 10187.58,2407.58 10229.9,2407.58 ; v1(10229.9,2387.5) 10229.9,2339.91 R35.2@10230,2339.8 ; v1@10230,2387.5 10230,2405 10240,2415 R29.2@10240,2465.63
NetR30_2: 
NetR31_2: 
NetR47_1: R47.1 U12.9 | length 1287.2
  Top Layer w30: v2(1942.81,1560.24) U12.9@2033.7,1560.24 ; v2(2978,1721) 2981.5,1717.5 2981.5,1632.87 R47.1@2985,1629.37
  Bottom Layer w30: v2(1942.81,1560.24) 2373.67,1560.24 2534.43,1721 v2(2978,1721)
NetR48_1: R48.1 U12.10 | length 1048.8
  Top Layer w30: v6(1910,1510) 1910.12,1510.12 2033.58,1510.12 U12.10@2033.7,1510.24 ; v2(2700,1630) 2700.31,1629.69 2784.68,1629.69 R48.1@2785,1629.37
  Bottom Layer w30: v6(1910,1510) 2380,1510 2500,1630 v2(2700,1630)
NetR57_1: R57.1 U1.66 | length 1360.8
  Top Layer w8: U1.66@10554.13,3064.06 10619.06,3064.06 10619.37,3064.37
  Top Layer w10: 10619.37,3064.37 10629.11,3074.11 10703.25,3074.11 10704.14,3075 10845,3075 10875,3105 10969.14,3105 10981.86,3117.72 10981.86,3258.14 10830,3410 R57.1@10830,3965.63
NetR66_1: R66.1 U15.15 | length 805.9
  Top Layer w30: v2(5478,5122) 5479,5123 5479,5218.88 U15.15@5480,5219.88 ; R66.1@5705,5570 v2@5705,5630
  Bottom Layer w30: v2(5478,5122) 5610,5254 5610,5605 5645,5640 v2(5705,5640)
NetR67_1: R67.1 U16.15 | length 255.2
  Top Layer w30: U16.15@4960.12,1710 5013.11,1710 5121.78,1601.33 5159.41,1601.33 5160.11,1600.63 R67.1@5170,1600.63
NetR68_1: R68.1 U15.10 | length 327
  Top Layer w30: R68.1@5034.37,5215 5034.37,5210.54 5039.06,5205.86 5084.14,5205.86 5175,5115 5200,5115 5230,5145 U15.10@5230,5219.88
NetR69_1: R69.1 U16.10 | length 1775.6
  Top Layer w30: U16.10@4960.12,1460 v2(5040,1460) ; v2@5649.81,1865 v2(5655,1865) 6183.06,1865 6200.63,1847.43 R69.1@6200.63,1680
  Bottom Layer w30: v2(5040,1460) 5570,1460 5655,1545 v2(5655,1865)
NetR70_1: 
NetR71_1: 
NetR72_1: R72.1 TZ1.19 U1.42 U13.1 U13.7 | length 8215.3
  Top Layer w8: v1(9950,2135) 9950,2266.45 9952.23,2268.68 v1(9952.23,2291.95) ; v1(9964,2627) 9964.5,2627.5 9964.5,2678.87 v1(9965,2679.37) ; v1(10327.55,2648.88) 10328.05,2649.37 10328.05,2676.32 10328.54,2676.81 U1.42@10328.54,2700.87 U1.42@10328.54,2728.54 ; v1(10625,2590) 10801.62,2590 10871.62,2520 11007.52,2520 11030,2542.48 v1(11030,2895) ; v1(10873.82,3469.04) 10873.82,3406.18 11010,3270 11010,3125 11075,3060 v1(11110,3060)
  Top Layer w10: v1(9105,2625) 9084.95,2645.05 9062.83,2645.05 9040,2667.88 9040,3042.12 9030,3052.12 U13.7@9030,3179.25 9030,3255.03 9080,3305.03 U13.1@9080,3395 R72.1@9080,3515.63 v1@9164.37,3515.63 ; v1(10000,3625) 10700,3625 v1@10796.91,3528.09 ; v1(10110,1640) 10045,1575 10045,1500.86 10080.86,1465 10205,1465 TZ1.19@10245,1425 ; v1(10370,2110) 10416.48,2156.48 10416.48,2461.32 10398.5,2479.3 10398.5,2497.15 10405.04,2503.69 10405.04,2525.04 v1(10406,2526)
  Bottom Layer w8: v1(9105,2625) 9373.84,2625 9428.84,2680 9964.37,2680 v1(9965,2679.37) ; v1(9950,2135) 10345,2135 v1(10370,2110) ; v1(9952.23,2291.95) 9952.23,2293.85 9964,2305.62 v1(9964,2627) ; v1(10795.73,3527.13) 10817.87,3527.13 v1@10875,3470 ; v1(11030,2895) 11110,2975 v1(11110,3060)
  Bottom Layer w10: v1(9162.58,3513.85) 9162.58,3557.58 9230,3625 v1(10000,3625) ; v1(10110,1640) 10110,1865 10105,1870 10105,1888.28 10261.72,2045 10305,2045 v1(10370,2110) ; v1(10327.55,2648.88) 10327.5,2648.82 10327.5,2595.68 10361.86,2561.32 10370.68,2561.32 v1(10406,2526) 10448.5,2526 10451.5,2523 10492.64,2523 10519.64,2550 10548.23,2550 10550.73,2547.5 10582.5,2547.5 v1(10625,2590)
NetR73_1: InvHall.23 R73.1 U18.3 | length 6710
  Top Layer w10: U18.3@7744.8,5287.58 7744.8,5065.86 7750.66,5060 v1(7950,5060) ; v1(9158.11,3200) 9158.11,3121.89 9225,3055 v1@9225,2565 ; v1@9360,1505 9360,2060.07 9543.11,2243.18 v1(9543.11,2530) ; v1@9375,3305 9375,3635.41 9494.8,3755.21 R73.1@9494.8,3790.01 9680.01,3790.01 v1(9810,3920)
  Bottom Layer w10: v1(7950,5060) 7980,5060 8370,4670 9330,4670 9810,4190 v1(9810,3920) ; v1@9160,3200 9220,3260 9328.11,3260 v1(9373.11,3305) ; v1(9223.11,2565) 9510,2565 v1@9545,2530 ; v1(9358.11,1505) 9775,1505 InvHall.23@9855,1425
NetR73_2: R73.2 R74.1 | length 136.5
  Top Layer w10: R74.1@9274.44,3794.93 R73.2@9410.98,3794.93
NetR79_1: 
NetR90_1: R90.1 U1.69 | length 2203.5
  Top Layer w8: U1.69@10553.93,3123.11 10673.11,3123.11 v1(10675,3125) ; v1(11280,3400) 11911.75,3400 11916.75,3395 v1(11920,3395) ; R90.1@11654.37,2895 11656.4,2897.03 v1(11760.34,2897.03)
  Bottom Layer w8: v1(10675,3125) 10790,3125 10865,3200 10865,3285 10980,3400 v1(11280,3400) ; v1(11760.34,2897.03) 11920,3056.69 v1(11920,3395)
NetR93_1: R93.1 R94.2 U22.5 | length 317.8
  Top Layer w10: U22.5@11344.57,5015 11344.57,5216.06 R93.1@11340,5220.63 11449.37,5220.63 R94.2@11450,5221.26
NetR95_2: R95.2 U22.8 | length 239.6
  Top Layer w10: R95.2@11035,5250.63 11044.39,5241.24 11044.39,5015.18 U22.8@11044.57,5015
NetR98_1: R98.1 U1.85 | length 4300.3
  Top Layer w8: U1.85@10308.85,3309.13 10308.85,3373.85 10335,3400 v1@10335,3595 ; v1(10600.86,3655.08) v1(10790.86,3655.08) v1@10791.65,3655.08 ; v1(10790,2340) 10910,2340 11100,2530 11100,2675 11140,2715 11140,2716.15 11144.69,2720.83 11230.83,2720.83 11290,2780 v1(11290,2800) ; v1(11245,3740) v1(11460,3740) ; v1(11285,2030) 11322.67,1992.33 11337.67,1992.33 11374,1956 11374,1906.91 11425,1855.91 R98.1@11425,1850 ; v1(11460,3615) 11460.51,3615.51 11514.49,3615.51 v1(11560,3570)
  Bottom Layer w8: v1(10335.86,3595.08) 10335.86,3640.86 10360,3665 10590,3665 v1@10600,3655 ; v1(10790,2340) 11100,2030 v1(11285,2030) ; v1(10790.86,3655.08) 11160.86,3655.08 11245,3739.22 v1(11245,3740) ; v1(11290,2800) 11290,3300 v1(11560,3570) ; v1(11460,3615) v1(11460,3740)
NetR99_1: R99.1 U1.75 | length 2053.6
  Top Layer w8: U1.75@10553.93,3241.22 v1(10612.43,3241.22) ; v1(10730,3290) 10732,3288 10752,3288 10770,3270 10770,3195 10780,3185 v1(10950,3185) ; v1@11195,2260 11195,2589.49 11215.69,2610.18 v1(11215.69,2647.91) ; v1(11345,2255) 11390.63,2255 R99.1@11395.63,2260
  Bottom Layer w8: v1(10612.43,3241.22) 10681.22,3241.22 v1(10730,3290) ; v1(10950,3185) 11050,3285 11050,3290 11053.54,3293.54 11079.91,3293.54 11081.97,3291.47 11206.47,3291.47 11215,3282.94 v1@11215,2650 ; v1(11195.69,2257.91) 11197.15,2256.46 11343.54,2256.46 v1(11345,2255)
NetT1_4: 
NetU1_40: U1.40 U22.1 | length 2559
  Top Layer w8: v1(10240,2840) 10240,2827 10278,2789 10278,2766.14 10289.17,2754.97 U1.40@10289.17,2700.87 10289.17,2630.83 10309.25,2630.83 10310.12,2629.96 10348.77,2629.96 10348.8,2630 v1(10352,2630) ; v1(10315,2915) 10315,3011.91 v1(10423.2,3120.1) ; v1(10461,3141) 10461,3172.2 10457.7,3175.5 10457.7,3228.16 10496.13,3266.59 10496.58,3266.59 10505.92,3275.93 10505.92,3276.38 10569.54,3340 v1(10630,3340) ; v1(10633.19,3810.41) 10633.19,4208.19 v1@10635,4210
  Bottom Layer w8: v1(10240,2840) v1(10315,2915) ; v1(10423.2,3120.1) 10442.76,3139.66 10459.66,3139.66 v1(10461,3141) ; v1(10630,3340) 10630,3810 v1@10635,3815 ; v1(10633.89,4206.11) 10633.89,4304.32 U22.1@11044.57,4715
PWM_BOOST_H: J3.3 R2.2 U1.87 | length 5443.7
  Top Layer w8: R2.2@10195,3430.63 10195.63,3430 10195.63,3389.37 10215,3370 10255,3370 10268.9,3356.1 10268.9,3350.48 10269.7,3349.68 10269.7,3333.68 10270,3333.38 U1.87@10270,3309.13
  Top Layer w10: v1(6938.3,1512.76) 6941,1512.76 6954.98,1526.74 6966.74,1526.74 7140.49,1700.49 7428.57,1700.49 v1@7493.08,1765 ; v1(7660,1855) 7660,2495 8025,2860 8415,2860 v1(8705,3150) ; v1(9235,3569.37) 9235,3450 9265.66,3419.34 v1(9265.66,3150.68) ; v1(9799.41,3485) 9980,3485 10034.37,3430.63 R2.2@10195,3430.63
  Bottom Layer w10: J3.3@6670,1190 6677.48,1197.48 6677.48,1237.48 6924.31,1484.31 6924.31,1496.07 6938.3,1510.06 v1(6938.3,1512.76) ; v1(7493.77,1765.69) 7570.69,1765.69 v1(7660,1855) ; v1(8705,3150) v1@9265,3150 ; v1(9235,3569.37) 9725.63,3569.37 9783.49,3511.51 9783.49,3503.62 9799.41,3487.71 v1(9799.41,3485)
  other v1: 10215.8,3370.66
PWM_BOOST_L: J3.5 R1.1 U1.86 | length 5422.8
  Top Layer w8: U1.86@10289.37,3309.13 10289.37,3359.24 v1(10290.39,3360.27) ; v1@10289.37,3360.26 10289.37,3430.43 R1.1@10290,3431.06
  Top Layer w10: v1(6750,1435) 6945,1630 v1(6945,1965) ; v1(8475,2140) 8605.64,2140 8609.64,2144 8754,2144 8881.68,2271.68 8881.68,2277.79 9009.36,2405.47 9024.41,2405.47 v1(9049.47,2430.53) ; v1(9190,2440) 9245,2495 9245,3063.28 9235,3073.28 v1(9235,3220) ; v1(9350,3240) 9425,3315 v1(9495,3315)
  Bottom Layer w10: J3.5@6570,1190 6570,1255 v1(6750,1435) ; v1(6945,1965) 7621.15,1965 7801.15,2145 8134.22,2145 8139.22,2140 v1(8475,2140) ; v1(9049.47,2430.53) 9052.18,2430.53 9061.65,2440 v1(9190,2440) ; v1(9235,3220) 9255,3240 v1(9350,3240) ; v1(9495,3315) 10191.96,3315 10237.22,3360.26 v1(10290.39,3360.27)
Relay: D2.1 D2.3 DS1.2 P13.3 Q8.1 | length 4384.5
  Top Layer w8: D2.3@10979.84,3808.46 10985,3813.62 10985,3920.31 10989.69,3925 11110,3925 Q8.1@11120,3935
  Top Layer w10: D2.3@10979.84,3808.46 D2.1@11160.16,3808.46 ; Q8.1@11120,3935 11230.47,3935 DS1.2@11240.47,3925 11240.47,3889.53 11265,3865 v1(11590,3865) ; v1(11256.91,2616.91) 11256,2616 11256,2336.97 11250,2330.97 11250,2033.18 11355,1928.18 11355,1835 11495,1695 v1(11986.91,1695)
  Bottom Layer w10: v1@11255,2615 11255,3344.14 11260.86,3350 11297.43,3350 11590,3642.57 v1(11590,3865) ; P13.3@11900,1230 11986.91,1316.91 v1(11986.91,1695)
RESET_USB: C48.2 R61.1 R64.2 U14.19 | length 528.2
  Top Layer w10: U14.19@8244.55,2745.17 8244.55,2668.03 8262.58,2650 8348.51,2650 8354.37,2644.14 R64.2@8354.37,2605 C48.2@8354.37,2505 ; R61.1@8485,2594.37 8486.91,2596.28 v1(8486.91,2651.91)
  Bottom Layer w10: v1(8351.91,2651.91) 8483.09,2651.91 v1@8485,2650
SHIELD: C47.2 J1.6 J1.7 J1.8 J1.9 R63.2 | length 1060.8
  Top Layer w10: J1.6@8165,1419.57 J1.8@8165,1205 J1.9@8515.39,1205 J1.7@8515.39,1419.57 8515.39,1500.39 8540,1525 R63.2@8540,1580.63 C47.2@8430,1580.63
SI: R45.1 R46.2 U12.7 | length 562.3
  Top Layer w10: R45.1@2220.43,1790 R45.1@2224.37,1790 2255,1790 2285,1760 2285,1709.6 2255.83,1680.43 U12.7@2255.83,1610.24 ; U12.7@2246.3,1610.24 2246.54,1610 2335,1610 2360.2,1635.2 2355,1640.39 2355,1695.28 2429.09,1769.37 R46.2@2435,1769.37 ; R46.2@2416.52,1765.43 R46.2@2435,1783.91
SI_GND: R46.1 U12.6 | length 268.5
  Top Layer w10: U12.6@2246.3,1560.24 2338.17,1560.24 2435,1657.07 R46.1@2435,1690.63 ; R46.1@2430.67,1690.24 R46.1@2435,1694.57
USB_5V: C45.2 IC1.1 R61.2 U14.20 | length 1001.2
  Top Layer w10: U14.20@8270.14,2745.17 8269.42,2744.45 8269.42,2675.86 8275.27,2670 8390,2670 8415,2645 8415,2535 8434.37,2515.63 R61.2@8485,2515.63 C45.2@8575,2515.63 8575,2303.28 8536.72,2265 8475,2265 8423.52,2213.52 IC1.1@8423.52,2119.33
USB_5V_IN: C49.2 FB1.2 J1.1 | length 372
  Top Layer w20: C49.2@8145,1665.63 8149.13,1669.76 8250.87,1669.76 FB1.2@8255,1673.89 8255,1565 8277.2,1542.8 J1.1@8277.2,1424.49
VCCIO: JP2.2 R59.2 R60.2 U14.4 | length 1362.4
  Top Layer w10: R60.2@8229.37,3175 8265,3175 8330,3110 v1(8405,3110) ; U14.4@8398.09,3016.82 8398.09,3100.39 8405,3107.29 v1(8405,3110) ; R59.2@8454.37,3165 8454.37,3159.09 8405.28,3110 v1(8405,3110) ; v1@8465,2840 8646.91,2658.09 v1(8646.91,2421.91)
  Bottom Layer w10: v1(8405,3110) 8405,2996.11 8395,2986.11 8395,2875 8428.09,2841.91 v1(8466.91,2841.91) ; JP2.2@8506.52,2344 8569,2344 v1@8645,2420
pads on no net: J1.4 J1.MH1 J1.MH2 J2.1 J2.4 J2.5 J2.8 J2.M1 J2.M2 P2.1 P2.2 P3.8 P4.5 P4.6 P4.7 P4.8 P5.7 P5.8 Q4.1@5580,3750 Q4.2@5580,4750 Q5.1@5500,2065 Q5.2@5500,3065 Q6.1@6630,4750 Q6.2@6630,3750 Q7.1@6610,3085 Q7.2@6610,2085 R47.2 R48.2 U1.1 U1.2 U1.6 U1.7 U1.8 U1.39 U1.44 U1.45 U1.49 U1.51 U1.52 U1.53 U1.54 U1.55 U1.56 U1.57 U1.58 U1.59 U1.64 U1.67 U1.73 U1.74 U1.76 U1.77 U1.78 U1.82 U1.88 U1.89 U1.94 U1.95 U1.96 U1.97 U1.98 U1.99 U1.100 U12.2 U12.5 U14.2 U14.3 U14.6 U14.8 U14.9 U14.10 U14.11 U14.12 U14.13 U14.14 U14.24 U14.27 U14.28 U15.6 U15.7 U15.8 U15.12 U15.13 U16.6 U16.7 U16.8 U16.12 U16.13
copper on no net:
  other v4: 12265,1105 1110,1125 1115.39,5594.25 12270,5635

## Polygon pours and split planes (outlines as drawn)
Accumulator_GND on Top Layer "r" (solid, remove dead copper, pour order 5): 5548.26,5754.91 12338.26,5754.91 12338.26,1061.36 5548.26,1061.36
NetC31_2 on Top Layer "NETC31_2_L01_P003" (solid, pour order 3): 1000,5760 5505,5760 5505,2525 1055,2525 1000,2580
Accumulator_GND on Top Layer "ACCUMULATOR_GND_L01_P000" (solid, pour order 0): 1015,2550 1015,1030 4995,1030 4995,2538.85
Accumulator_GND on Bottom Layer "r" (solid, pour order 6): 4595.4,5767.29 12409.67,5767.29 12409.67,1012.29 4609.67,1012.29
Accumulator_GND on Bottom Layer "ACCUMULATOR_GND_L02_P004" (solid, pour order 4): 1015.14,5760 4610,5760 4610,1015 1000.05,1015

## Keep-outs
Top Layer:
  circle w10: c4760.86,5295.08 r31.29
  circle w10: c4030.51,3868.66 r100.5
  circle w10: c3235.51,3868.66 r100.5
  circle w10: c2440.51,3868.66 r100.5
  circle w10: c1645.51,3868.66 r100.5
  circle w10: c1639.68,2982.05 r100.5
  circle w10: c2434.68,2982.05 r100.5
  circle w10: c3229.68,2982.05 r100.5
  circle w10: c4024.68,2982.05 r100.5
  circle w10: c4014.68,4730 r100.5
  circle w10: c3219.68,4730 r100.5
  circle w10: c2429.68,4730 r100.5
  circle w10: c1634.68,4730 r100.5
  circle w10: c2465,5385 r100.5
  circle w10: c2215,5385 r100.5
  rectangle: 8970,4930 10255,5555
  rectangle: 8215,5045 8870,5550
  rectangle: 4850,3420 5100,3940
  rectangle: 1005,2480 4995,2585
  rectangle: 1905,5300 2070,5465
  lines w10: 1226.63,5599.29 ccw(c1115.39,5594.25) 1226.74,5594.35
Bottom Layer:
  circle w10: c1630,5385 r96.05
  circle w10: c3735.24,3868.66 r96.05
  circle w10: c2940.24,3868.66 r96.05
  circle w10: c2135,3870 r96.05
  circle w10: c1350.24,3868.66 r96.05
  circle w10: c1344.41,2982.05 r96.05
  circle w10: c2139.41,2982.05 r96.05
  circle w10: c2934.41,2982.05 r96.05
  circle w10: c3729.41,2982.05 r96.05
  circle w10: c3719.41,4730 r96.05
  circle w10: c2924.41,4730 r96.05
  circle w10: c2134.41,4730 r96.05
  circle w10: c1339.41,4730 r96.05
  circle w10: c1380,5385 r96.05

## Other copper
Top Layer:
  pour cut-out: 5372.86,4186.36 5552.86,4186.36 5552.86,3940 5372.86,3940
  pour cut-out: 5287.86,2526.36 5467.86,2526.36 5467.86,2280 5287.86,2280
  pour cut-out: 5287.86,2851.36 5467.86,2851.36 5467.86,2605 5287.86,2605
  pour cut-out: 5367.86,4460 5547.86,4460 5547.86,4290 5367.86,4290
  pour cut-out: 6630,2900 6810,2900 6815,2895 6815,2380 6630,2380
  pour cut-out: 6680,4575 6860,4575 6860,4050 6680,4050
  pour cut-out: 5275,2780 5275,2605 5465,2605 5465,2780
  pour cut-out: 6815,4055 8215,4055 8220,4050 8205,4035 8205,2180 6855,2180 6810,2225
  pour cut-out: 5560,2890 5570,2900 6630,2900 6630,2065 6620,2055 6595,2080 5555,2080
  pour cut-out: 8780,5010 8000,5010 7995,5005 7995,4160 8747.43,4160 8755,4152.43
  pour cut-out: 6820,4850 6845,4825 6845,3960 8365,3960 8365,4845
  pour cut-out: 6685,3862.45 6685,4555 6645,4595 5565,4595 5565,3867.5
  pour cut-out: 5565,4560 5565,3855 6715,3855 6720,3850 6730,3860 6730,4555 6725,4550 6705,4570 5565,4570 5565,3885 5560,3880 5565,3875 6685,3875 6685,4570 6680,4575
  pour cut-out: 9910,3345 10585,3345 10585,2660 9925,2660 9915,2670
Bottom Layer:
  pour cut-out: 7470,4580 7470,4320 8220,4320 8220,4575
  pour cut-out: 7610,3885 7610,3590 7950,3590 7950,3890
  pour cut-out: 8285,5575 10220,5575 10220,4910 8280,4910

## Silkscreen, mask and mechanical layers (free items; w line width, h text height)
Top Overlay:
  drawing of 43 lines, arcs and shapes, not listed
  text "One Phase Inverter" at 6470,5240 h80
  text "Hall Current" at 8820,4285 h40
  text "USB-FTDI" at 7975,3395 h60
  text "Boost Connector" at 6060,1280 h60
  text "Test / Point" at 9675,1155 h60 r90
  text "Switch" at 5460,1140 h30 r90

## Text inside footprints (layer, text, board x,y; h text height)
J2: Top Overlay "9" at 12126.47,4649.03 h40 r90; Top 3D Body "PCB Edge" at 12475.68,4751.39 h40 r90
J3: Top Overlay "1" at 6845,1170 h40; Top Overlay "2" at 6840,1070 h40; Top Overlay "15" at 5940,1165 h40; Top Overlay "16" at 5940,1065 h40